# Allegro board belt-box-dvt3-0706pm14.brd (continued)
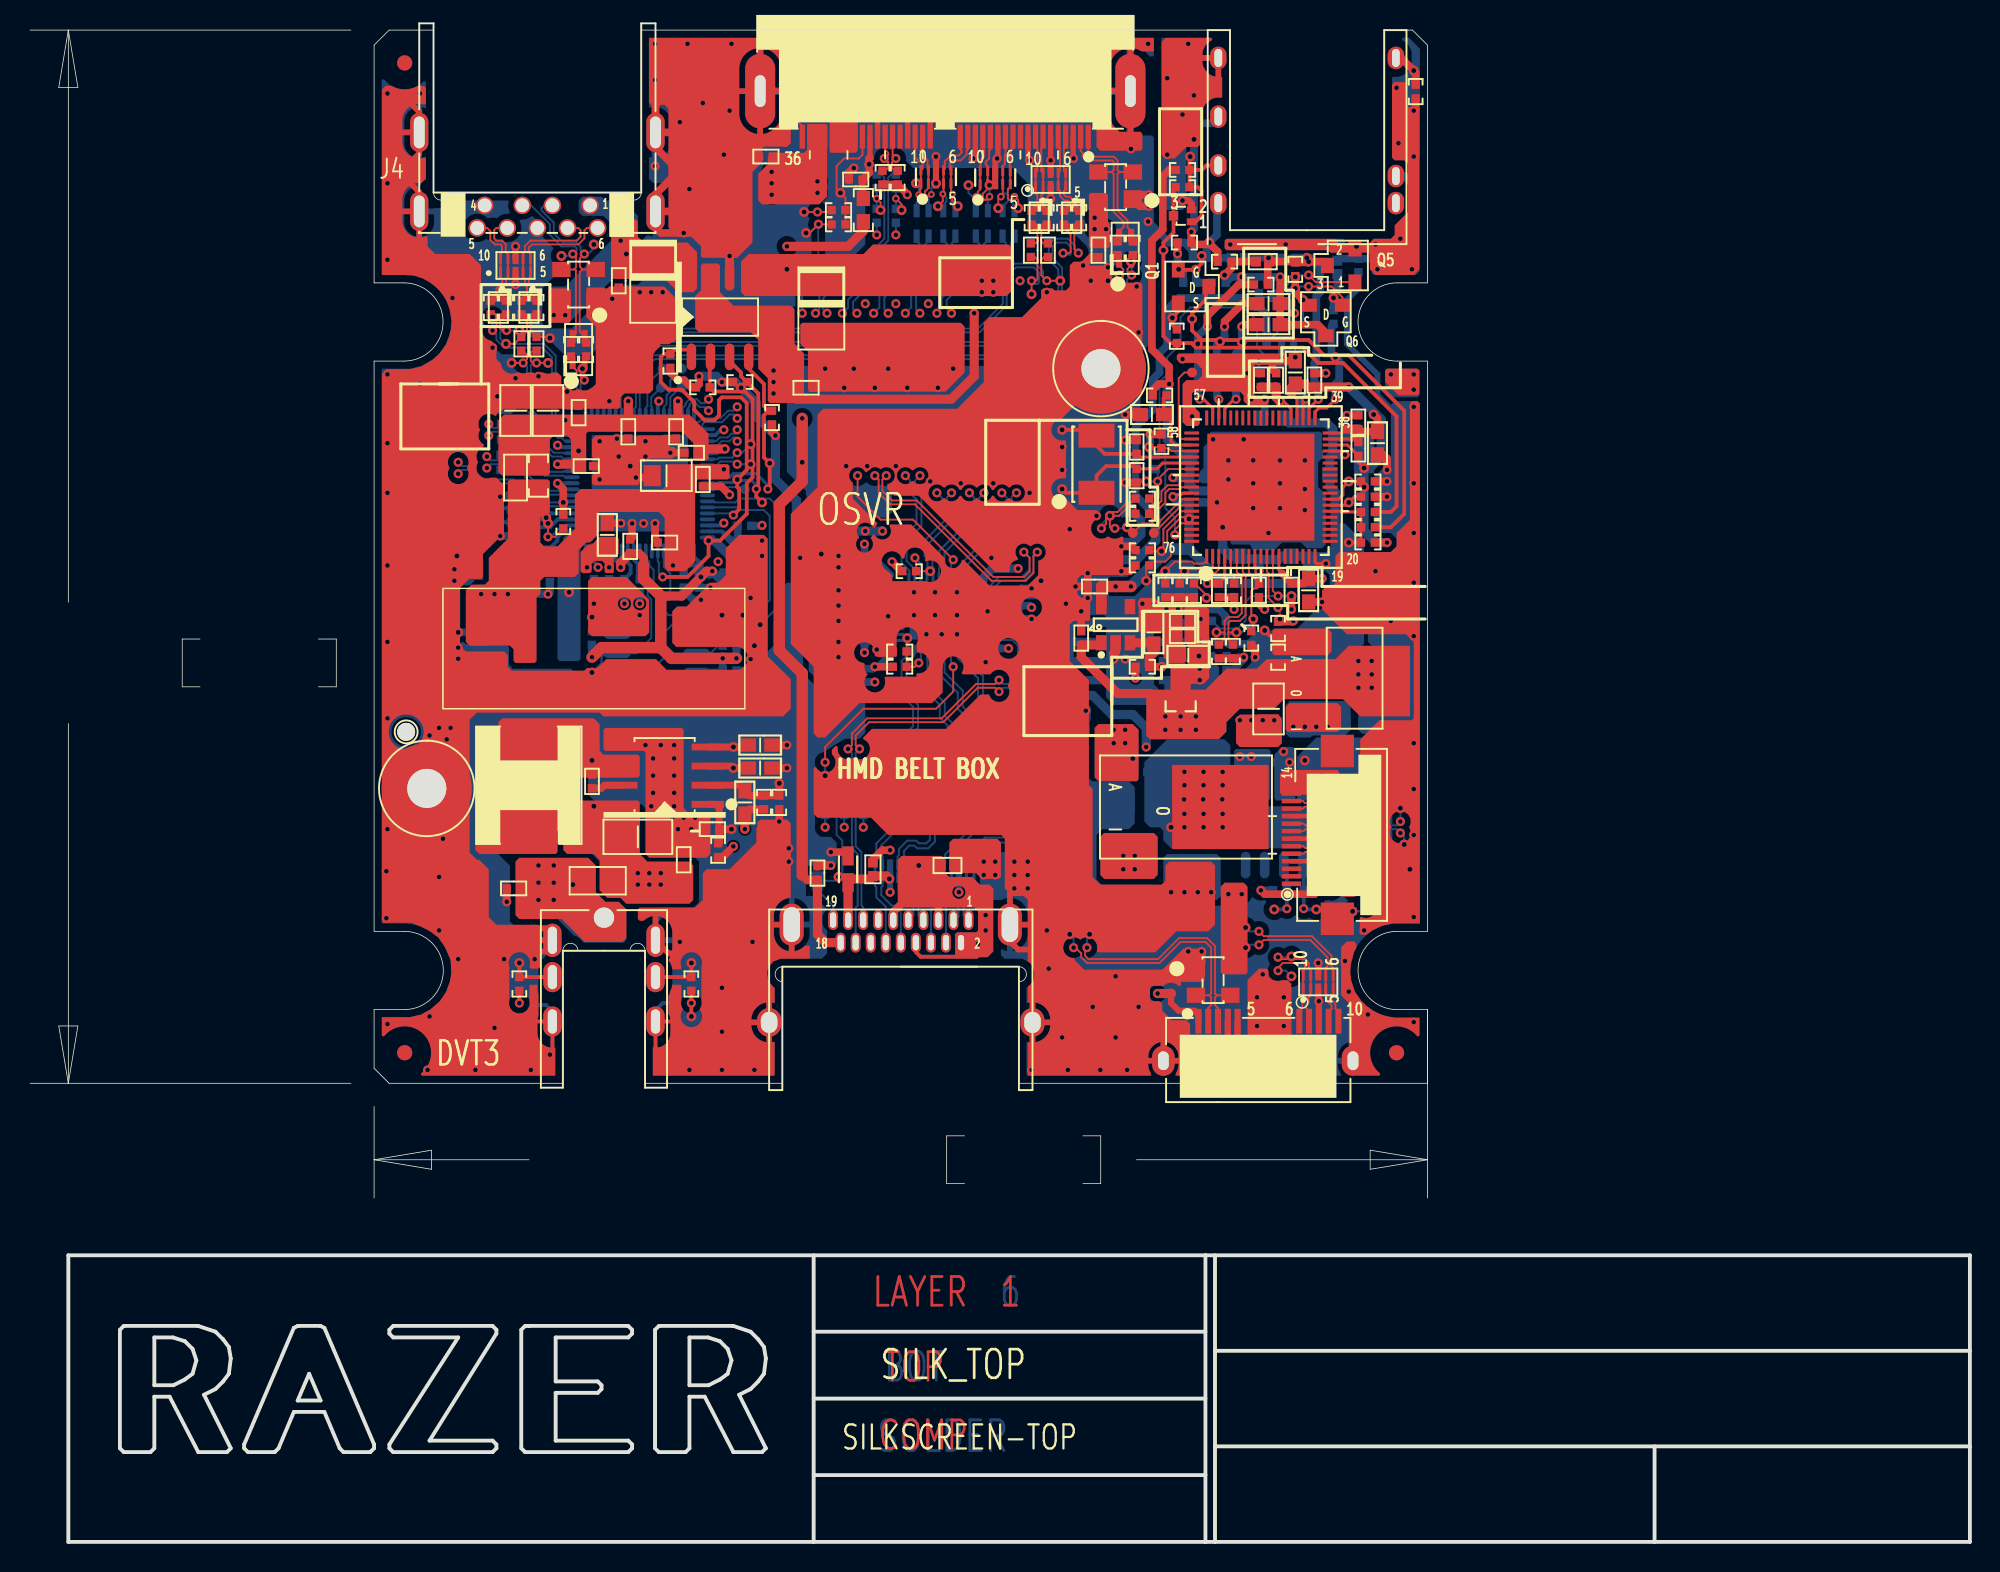
[diagram p0: board, top side]
## Routing (per net, layer and track width the routed paths; a pad name or vN(x,y) marks a point on that pad's centre or on a via; arc(x,y) is an arc through that point) (continued)
V33: length 38.2
  TOP w0.559: 40.77,64.9 40.77,65.41 40.46,65.71 C29.1
  TOP w0.61: 41.91,62.86 43.31,62.86 v2(44.58,64.14) 44.96,64.52 v1(45.34,64.52) ; C29.1 39.24,65.07 v1(39.24,64.77)
  TOP w0.762: v1(46.94,58.72) v1(46.02,58.72) 42.62,58.72 41.91,59.44 ; 41.91,59.44 41.91,62.86 40.77,64.01 40.77,64.9 ; 41.91,59.44 37.97,59.44 v1(37.34,58.8)
  BOTTOM w0.254: U7.71 38.91,65.23 39.24,64.9 v1(39.24,64.77) ; U7.58 44.11,65.49 44.45,65.15 44.45,64.9 43.87,64.9 43.71,65.05 U7.59 ; 45.59,66.42 45.38,66.76 U7.57
  BOTTOM w0.508: R29.2 v1(46.94,58.72) ; R30.1 v1(37.34,58.8) ; U6.8 45.9,57.78 C32.1 v1(46.02,58.72)
  BOTTOM w0.61: 45.59,66.42 46.48,65.53 C31.1 47.02,64.66 C28.2 45.85,64.01 v1(45.34,64.52) 45.16,64.34 C30.1 44.45,64.9
VBUS-IN: length 3.2
  BOTTOM w0.254: 46.2,66.93 45.97,67.16 U7.56
  BOTTOM w0.508: 46.2,66.93 46.58,66.55 R41.1 R36.2
VIN: length 13.8
  TOP w0.508: v1(46.74,46.23) 46.02,45.52 R89.1
  IN1 w0.61: v1(34.8,44.96) 35.18,45.34 45.47,45.34 46.36,46.23 v1(46.74,46.23)
  vias: v1(33.78,44.96) v1(33.78,43.81) v1(33.78,42.67) v1(34.8,43.81) v1(34.8,42.67) v1(49.28,91.06) v1(49.28,90.3) v1(49.28,89.53) v1(52.32,90.42) v1(52.32,89.66) v2(36.07,43.69)
+1.8_VDD: length 32.4
  TOP w0.203: C60.1 79.39,64.1 U11.4 ; U11.13 82.99,64.59 83.19,64.39 ; v1(75.95,69.47) 76.07,69.6 76.47,69.6 76.58,69.7 U11.68
  TOP w0.508: v1(78.23,63.7) C60.1 ; v1(85.85,64.02) C57.1 84.65,63.7 C58.1 83.82,63.75 83.19,64.39
  TOP w0.711: U12.5 71.19,63.49 C70.2
  TOP w0.762: v1(73.15,63.5) v1(72.14,63.5) C70.2
  BOTTOM w0.61: v1(75.95,69.47) 76.33,69.09 C59.1 v2(77.01,68) 77.01,65.99 78.23,64.77 v1(78.23,63.7) 85.53,63.7 v1(85.85,64.02)
  BOTTOM w0.762: 77.01,65.99 75.64,65.99 v1(73.15,63.5) v1(72.14,63.5)
APP: length 9.8
  TOP w0.127: Q6.G 87.21,82.72 86.49,83.44 v1(84.96,83.44)
  BOTTOM w0.127: v1(84.96,83.44) 84.1,83.44 Q4.1 83.78,83.09 83.95,82.93 84.32,82.93 84.58,82.67 v2(84.58,82.55) 84.58,81.28 84.17,80.86 Q3.3 83.35,80.86 R104.1
APP#: length 7.4
  TOP w0.127: v1(84.96,84.2) 85.43,83.73 Q5.1
  BOTTOM w0.127: R105.1 81.94,82.73 Q4.3 82.59,82.98 83.17,83.57 83.57,83.57 v2(84.07,84.07) 84.2,84.2 v1(84.96,84.2)
CFG: length 3.3
  TOP w0.127: v1(58.8,65.41) 58.88,65.33 R13.2 v2(59.82,64.52)
  BOTTOM w0.127: U1.23 59.2,65.01 v1(58.8,65.41)
DCIN_EN: length 5.3
  BOTTOM w0.127: R14.2 53.46,60.37 55.3,60.37 55.63,60.7 57.38,60.7 57.4,60.72 U1.13
DDC_GND: length 5.5
  TOP w0.61: J1.17 54.36,41.33 ESD2.1 54.6,44.05 55.8,44.05 FB5.1 56.91,44.26 v2(57.1,44.07)
DDCBUF: length 5.7
  BOTTOM w0.127: R18.2 53.42,60.71 55.24,60.71 55.45,60.91 R25.1 55.92,61.21 56.17,60.96 57.28,60.96 57.44,61.12 U1.14
EQ: length 5.7
  BOTTOM w0.127: U1.17 56.37,62.32 R21.1 54.94,62.74 53.42,62.74 R12.2
FB: length 4.5
  BOTTOM w0.254: C35.2 34.42,65.91 35.04,66.54 35.04,66.76 35.43,67.16 U7.2
  BOTTOM w0.508: C35.2 34.42,65.28 34.54,65.15 R34.1 34.47,64.64 R31.2
GPIO2: length 28.9
  TOP w0.127: U11.73 76.5,67.7 76.07,67.27 v1(76.07,66.93)
  BOTTOM w0.127: v1(76.07,66.93) 76.07,68.07 75.44,68.71 75.44,72.52 75.06,72.9 75.06,77.09 75.56,77.6 75.56,78.74 76.45,79.63 76.45,81.41 77.09,82.04 80.64,82.04 81.53,81.15 81.53,79.38 82.68,78.23 83.69,78.23 84.07,78.61 v2(84.07,78.74) 84.07,79.56 Q3.1
HDMI_5V: length 56.1
  TOP w0.559: C4.1 51.64,43.99 51.31,44.32
  TOP w0.61: R3.1 55.37,87.12 54.36,86.11 v1(50.29,86.11) ; C4.1 52.32,40.39 52.88,39.83 J1.18
  TOP w0.762: 51.31,44.32 51.31,57.73 49.78,59.26 49.78,68.96 51.31,70.48 v2(51.31,71.75) v1(51.31,74.68)
  IN1 w0.61: v1(51.31,74.68) 51.31,80.01 50.29,81.03 v1(50.29,86.11)
HDMI_CON_CLK+: length 9.8
  BOTTOM w0.127: J1.10 57.86,42.06 57.63,42.29 57.25,42.29 56.57,42.98 56.57,43.52 56.65,43.6 U17.4 U17.7 56.65,45.55 56.57,45.64 56.57,46.29 57.38,47.11 57.38,47.85 57.55,48.03 L15.1
HDMI_CON_CLK+_P: length 10.8
  BOTTOM w0.127: L15.4 57.55,50.35 57.35,50.55 57.35,53.03 57.97,53.64 58.56,53.64 59,54.09 59,55.64 58.24,56.4 58.24,58.41 58.73,58.9 58.73,58.98 58.8,59.05 U1.9
HDMI_CON_CLK-: length 9.8
  BOTTOM w0.127: L15.2 56.75,48.11 56.46,47.83 56.46,47.62 56.57,47.52 56.95,47.52 57.05,47.42 57.05,47.24 56.24,46.43 56.24,45.64 56.15,45.55 U17.6 U17.5 56.15,43.6 56.24,43.52 56.24,42.84 56.86,42.22 J1.12
HDMI_CON_CLK-_P: length 10.9
  BOTTOM w0.127: U1.10 58.4,59.03 57.91,58.55 57.91,56.26 58.67,55.5 58.67,54.23 58.42,53.98 57.84,53.98 57.02,53.16 57.02,50.67 56.75,50.4 L15.3
HDMI_CON_DATA0+: length 9.9
  BOTTOM w0.127: L14.1 60.34,47.97 60.12,47.75 60.12,46.53 59.69,46.1 58.93,46.1 58.75,46.28 58.43,46.28 58.07,45.91 58.07,45.64 58.15,45.55 U17.10 U17.1 58.04,44.03 58.04,43.34 58.25,43.13 58.58,43.13 59.03,42.68 59.03,41.66 J1.7
HDMI_CON_DATA0+_P: length 10.9
  BOTTOM w0.127: L14.4 60.34,50.35 60.1,50.6 60.1,52.78 60.27,52.96 60.79,52.96 61.29,53.46 61.29,54.41 60.78,54.91 60.78,55.76 59.72,56.83 59.72,57.42 59.96,57.67 59.96,58.74 60,58.78 U1.6
HDMI_CON_DATA0-: length 9.8
  BOTTOM w0.127: L14.2 59.54,47.92 59.79,47.68 59.79,46.67 59.55,46.43 59.06,46.43 58.89,46.61 58.29,46.61 57.73,46.05 57.73,45.64 57.65,45.55 U17.9 U17.2 57.71,44.08 57.71,43.2 58.11,42.8 58.44,42.8 58.7,42.55 58.7,41.66 J1.9
HDMI_CON_DATA0-_P: length 10.9
  BOTTOM w0.127: L14.3 59.54,50.4 59.77,50.62 59.77,52.92 60.14,53.29 60.66,53.29 60.96,53.59 60.96,54.27 60.45,54.78 60.45,55.63 59.39,56.69 59.39,57.56 59.63,57.8 59.63,58.74 59.6,58.78 U1.7
HDMI_CON_DATA1+: length 9.8
  BOTTOM w0.127: J1.4 60.86,42.11 60.58,42.39 60.58,42.7 61.14,43.26 61.14,43.69 61.22,43.77 U16.4 U16.7 61.14,45.1 61.14,45.56 62.84,47.26 62.84,47.8 63.14,48.1 L13.1
HDMI_CON_DATA1+_P: length 10.9
  BOTTOM w0.127: U1.4 60.8,59.05 60.76,59.02 60.76,57.79 61.98,56.58 61.98,55.51 63.17,54.32 63.17,53.18 62.36,52.36 62.36,52.07 62.9,51.53 62.9,50.94 63.14,50.7 L13.4
HDMI_CON_DATA1-: length 9.8
  BOTTOM w0.127: L13.2 62.34,48.1 62.51,47.93 62.51,47.4 60.81,45.69 60.81,45.1 U16.6 U16.5 60.72,43.77 60.81,43.69 60.81,43.39 60.25,42.83 60.25,42.42 59.86,42.03 J1.6
HDMI_CON_DATA1-_P: length 10.9
  BOTTOM w0.127: U1.5 60.4,59.05 60.43,59.02 60.43,57.65 61.65,56.44 61.65,55.37 62.84,54.18 62.84,53.31 62.03,52.5 62.03,51.93 62.57,51.39 62.57,51.01 62.34,50.78 L13.3
HDMI_CON_DATA2+: length 9.8
  BOTTOM w0.127: L12.1 65.93,48.1 65.75,47.92 65.75,47.13 65.1,46.48 63.59,46.48 62.61,45.51 62.61,45.13 U16.10 U16.1 62.72,43.72 62.56,43.56 62.56,42.66 62.03,42.13 62.03,41.66 J1.1
HDMI_CON_DATA2+_P: length 10.9
  BOTTOM w0.127: L12.4 65.93,50.68 65.71,50.9 65.71,53.8 64.39,55.12 63.32,56.18 63.32,57.54 61.96,58.9 61.96,59.02 62,59.05 U1.1
HDMI_CON_DATA2-: length 9.8
  BOTTOM w0.127: J1.3 61.44,41.33 61.7,41.58 61.7,42.26 62.23,42.8 62.23,43.56 62.22,43.57 U16.2 U16.9 62.28,45.07 62.28,45.64 63.45,46.81 64.96,46.81 65.42,47.27 65.42,47.79 65.13,48.08 L12.2
HDMI_CON_DATA2-_P: length 10.9
  BOTTOM w0.127: U1.2 61.6,59.05 61.63,59.02 61.63,58.76 62.99,57.4 62.99,56.05 64.16,54.88 65.38,53.66 65.38,50.9 65.13,50.65 L12.3
HDMI_CON_DET: length 10.4
  BOTTOM w0.127: R317.1 53.34,49.23 53.59,48.97 53.59,46.99 53.97,46.61 53.97,44.45 v2(53.72,44.2) 53.47,43.94 ESD1.1 52.32,43.33 53.36,42.29 J1.19
HDMI_CON_DET_B: length 48.9
  TOP w0.127: R371.1 53.14,88.39 v1(52.32,88.39) v2(51.44,88.39)
  IN1 w0.254: v1(52.32,88.39) 49.4,88.39 48.26,87.25 48.26,80.01 48.64,79.63 48.64,73.53 49.66,72.52 49.66,60.33 52.2,57.78 52.2,48.13 v1(52.83,47.5)
  BOTTOM w0.127: R317.2 v1(52.83,47.5)
HDMI_CON_DET_P: length 15.6
  TOP w0.127: v1(61.34,58.17) 61.34,56.52 60.2,55.37 55.37,55.37 52.83,52.83 v1(52.83,51.82)
  BOTTOM w0.127: v1(61.34,58.17) 61.2,58.31 U1.3 ; v1(52.83,51.82) v2(52.83,50.93) R302.2
HDMI_CON_SCL: length 8.5
  BOTTOM w0.127: R320.1 55.07,49.23 54.86,49.02 54.86,46.23 55.24,45.85 55.24,42.29 55.36,42.18 J1.15
HDMI_CON_SCL_B: length 52.3
  IN1 w0.127: v1(55.37,47.5) 55.12,47.5 54.86,47.75 54.86,50.8 53.72,51.94 53.72,55.12 52.96,55.88 52.96,58.8 50.55,61.21 50.55,79.35 49.4,80.5 49.4,86.38 49.76,86.74 53.74,86.74 54.5,85.98 56.64,85.98 57.02,86.36 57.02,86.74 57.15,86.87 v1(57.53,86.87)
  BOTTOM w0.127: R320.2 v1(55.37,47.5) ; R372.1 v1(57.53,86.87)
HDMI_CON_SCL_P: length 22.8
  TOP w0.127: v1(64.39,56.52) 64.13,56.77 62.97,56.77 60.68,54.48 55.75,54.48 54.86,53.59 54.86,52.96 v1(55.12,52.7)
  BOTTOM w0.127: U1.38 63.36,60.72 63.5,60.58 63.88,60.58 64.26,60.2 65.41,60.2 65.91,59.69 65.91,57.53 65.15,56.77 64.64,56.77 v1(64.39,56.52) ; R318.2 55.14,50.14 54.86,50.42 54.86,52.45 v1(55.12,52.7)
HDMI_CON_SDA: length 10
  BOTTOM w0.127: R321.1 54.41,49.23 54.61,49.02 54.61,46.1 54.99,45.72 54.99,42.29 54.86,42.16 J1.16
HDMI_CON_SDA_B: length 52.3
  IN1 w0.127: v1(54.1,47.5) 54.36,47.5 54.61,47.75 54.61,50.67 53.47,51.82 53.47,54.99 52.7,55.75 52.7,58.67 50.29,61.09 50.29,79.25 49.15,80.39 49.15,86.49 49.66,87 53.85,87 54.61,86.23 56.52,86.23 56.77,86.49 56.77,86.74 56.64,86.87 v1(56.26,86.87)
  BOTTOM w0.127: R321.2 v1(54.1,47.5) ; R373.1 v1(56.26,86.87)
HDMI_CON_SDA_P: length 22.3
  TOP w0.127: v1(54.36,52.7) 54.61,52.96 54.61,53.72 55.63,54.74 60.58,54.74 62.87,57.02 64.13,57.02 v1(64.39,57.28)
  BOTTOM w0.127: v1(64.39,57.28) 64.64,57.02 65.02,57.02 65.66,57.66 65.66,59.56 65.28,59.94 64.13,59.94 63.75,60.33 63.5,60.33 63.5,60.32 U1.39 ; R319.2 54.33,50.14 54.61,50.42 54.61,52.45 v1(54.36,52.7)
HMD_5V: length 4.3
  TOP w0.356: J2.27 55.81,92.01
  TOP w0.508: 55.81,92.01 55.75,91.95 v2(55.75,91.57) 55.75,90.98 C5.1 55.32,89.34 R3.2
HMD_CON_CLK+: length 28.8
  IN2 w0.114: v1(54.94,81.66) 54.62,81.34 54.62,79.49 59.08,75.03 59.08,72.73 58.8,72.45 58.8,71.2 v1(59.13,70.87)
  BOTTOM w0.127: v1(54.94,81.66) 54.69,81.92 54.69,82.41 57.74,85.47 59.05,85.47 59.44,85.85 59.44,86.19 59.71,86.47 L19.1 ; v1(59.13,70.87) 58.8,70.53 58.8,69.85 59.23,69.42 59.23,67.53 58.24,66.54 58.24,65.2 58.76,64.68 58.76,64.16 U1.22
HMD_CON_CLK+_A: length 6.8
  TOP w0.127: v4(59.89,89.56) 59.79,89.46 59.59,89.46 59.47,89.57 59.47,89.76 59.7,89.98 U23.2 U23.9 59.64,91.23 59.64,91.82 59.39,92.08 59.24,92.08 59.16,92.16 59.16,92.48 59.31,92.64 J2.20
  BOTTOM w0.127: L19.4 59.71,89.38 v4(59.89,89.56) 59.89,89.99 v2(60.2,90.3)
HMD_CON_CLK-: length 28.8
  IN2 w0.114: v1(58.17,70.87) 58.48,71.18 58.48,72.58 58.76,72.86 58.76,74.9 54.3,79.36 54.3,81.34 v1(53.97,81.66)
  BOTTOM w0.127: L19.2 58.91,86.47 59.11,86.27 59.11,85.99 58.92,85.8 57.61,85.8 54.36,82.55 54.36,82.04 v1(53.97,81.66) ; U1.21 58.43,64.16 58.43,64.54 57.91,65.06 57.91,66.67 58.9,67.67 58.9,69.28 58.47,69.71 58.47,70.56 v1(58.17,70.87)
HMD_CON_CLK-_A: length 6.8
  TOP w0.127: v4(59.05,89.53) 59.14,89.62 59.14,89.9 59.2,89.95 U23.1 U23.10 59.31,91.28 59.31,91.68 59.25,91.74 59.11,91.74 58.83,92.02 58.83,92.54 58.81,92.55 J2.21
  BOTTOM w0.127: L19.3 58.91,89.01 59,89.1 59.31,89.1 59.38,89.17 59.38,89.44 59.28,89.53 v4(59.05,89.53) 59.05,90.12 v2(58.88,90.3)
HMD_CON_DATA0+: length 28.8
  IN2 w0.114: v1(57.02,81.66) 56.7,81.34 56.7,79.57 61.25,75.02 61.25,71.85 60.83,71.43 60.83,70.12 v1(61.23,69.72)
  BOTTOM w0.127: v1(57.02,81.66) 56.77,81.92 56.77,82.72 58.51,84.45 59.69,84.45 61.25,86.02 61.25,86.31 61.49,86.54 L18.1 ; U1.25 60,64.67 59.96,64.7 59.96,65.47 59.77,65.67 59.77,66.41 61.34,67.99 61.34,68.67 60.93,69.07 60.93,69.43 v1(61.23,69.72)
HMD_CON_DATA0+_A: length 6.9
  TOP w0.127: J2.17 62.32,92.54 62.23,92.46 62.23,92.2 61.85,91.82 61.32,91.82 61.11,91.62 61.11,91.25 U23.6 U23.5 61.2,89.68 v4(61.29,89.59) 61.29,89.13 v2(61.65,88.77)
  BOTTOM w0.127: L18.4 61.49,88.75 61.21,89.03 61.21,89.51 v4(61.29,89.59)
HMD_CON_DATA0-: length 28.8
  IN2 w0.114: v1(60.26,69.72) 60.52,69.98 60.52,71.56 60.93,71.98 60.93,74.89 56.38,79.44 56.38,81.34 v1(56.05,81.66)
  BOTTOM w0.127: U1.24 59.6,64.67 59.63,64.7 59.63,65.33 59.44,65.53 59.44,66.55 61.01,68.12 61.01,68.53 60.6,68.94 60.6,69.38 v1(60.26,69.72) ; L18.2 60.69,86.51 60.92,86.27 60.92,86.15 59.55,84.79 58.37,84.79 56.44,82.85 56.44,82.05 v1(56.05,81.66)
HMD_CON_DATA0-_A: length 6.9
  TOP w0.127: J2.18 61.81,92.54 61.9,92.46 61.9,92.34 61.71,92.15 61.18,92.15 60.78,91.75 60.78,91.25 U23.7 U23.4 60.7,89.63 v4(60.66,89.59) 60.66,89.1 v2(60.33,88.77)
  BOTTOM w0.127: L18.3 60.69,88.88 60.88,89.08 60.88,89.36 v4(60.66,89.59)
HMD_CON_DATA1+: length 28.8
  IN2 w0.114: v1(63.39,69.72) 63.02,70.09 63.02,75.41 58.81,79.62 58.81,81.34 v1(59.13,81.66)
  BOTTOM w0.127: v1(59.13,81.66) 58.88,81.92 58.88,82.88 59.44,83.44 60.28,83.44 62.32,85.47 63.08,85.47 63.4,85.79 63.4,86.27 63.65,86.52 L17.1 ; U1.27 60.8,64.67 60.76,64.7 60.76,65.76 63.07,68.06 63.07,69.4 v1(63.39,69.72)
HMD_CON_DATA1+_A: length 6.7
  TOP w0.127: J2.14 63.81,92.54 63.73,92.46 63.73,91.95 63.5,91.72 63.5,91.57 63.64,91.43 U21.9 U21.2 63.64,89.92 63.31,89.6 63.31,89.32 63.42,89.2 63.55,89.2 v3(63.75,89.41)
  BOTTOM w0.127: v2(63.75,90.17) v3(63.75,89.41) 63.64,89.29 63.64,89.03 63.63,89.02 63.63,88.5 L17.4
HMD_CON_DATA1-: length 28.8
  IN2 w0.114: v1(62.42,69.72) 62.7,70 62.7,75.28 58.49,79.49 58.49,81.34 v1(58.16,81.66)
  BOTTOM w0.127: v1(58.16,81.66) 58.55,82.05 58.55,83.02 59.3,83.77 60.15,83.77 62.18,85.8 62.94,85.8 63.07,85.93 63.07,86.28 62.85,86.51 L17.2 ; U1.26 60.4,64.67 60.43,64.7 60.43,65.89 62.74,68.2 62.74,69.4 v1(62.42,69.72)
HMD_CON_DATA1-_A: length 7.1
  TOP w0.127: J2.15 63.32,92.58 63.4,92.5 63.4,92.08 63.17,91.85 63.17,91.57 63.14,91.53 U21.10 U21.1 63.14,89.89 62.98,89.74 62.98,89.52 v3(62.87,89.41)
  BOTTOM w0.127: v2(62.36,90.17) 62.36,89.66 62.61,89.41 v3(62.87,89.41) 63.02,89.56 63.2,89.56 63.31,89.45 63.31,89.17 62.85,88.7 L17.3
HMD_CON_DATA2+: length 28.8
  IN2 w0.114: v1(65.55,69.72) 65.28,69.99 65.28,75.31 60.9,79.69 60.9,81.38 61.19,81.66 v1(61.23,81.66)
  BOTTOM w0.127: v1(61.23,81.66) 60.91,81.98 60.91,82.54 62.87,84.51 63.8,84.51 65.18,85.88 65.18,86.31 65.42,86.56 L16.1 ; U1.30 61.96,64.16 61.96,64.63 65.23,67.89 65.23,69.47 65.48,69.72 v1(65.55,69.72)
HMD_CON_DATA2+_A: length 6.8
  TOP w0.127: v2(65.66,88.65) 65.66,89.17 v3(65.42,89.41) 65.42,89.29 65.3,89.18 65.1,89.18 64.97,89.31 64.97,89.92 65.13,90.08 U21.5 U21.6 65.13,91.44 65.1,91.47 65.1,92.02 65.15,92.08 65.15,92.46 65.32,92.62 J2.11
  BOTTOM w0.127: v3(65.42,89.41) 65.3,89.29 65.3,88.8 65.42,88.68 L16.4
HMD_CON_DATA2-: length 28.8
  IN2 w0.114: v1(64.58,69.72) 64.96,70.11 64.96,75.18 60.59,79.55 60.59,81.38 60.3,81.66 v1(60.26,81.66)
  BOTTOM w0.127: v1(64.58,69.72) 64.9,69.4 64.9,68.03 61.63,64.77 61.63,64.16 U1.29 ; v1(60.26,81.66) 60.58,81.98 60.58,82.68 62.74,84.84 63.67,84.84 64.85,86.01 64.85,86.33 64.62,86.56 L16.2
HMD_CON_DATA2-_A: length 6.8
  TOP w0.127: J2.12 64.81,92.58 64.82,92.58 64.82,92.21 64.77,92.16 64.77,91.57 64.63,91.43 U21.7 U21.4 64.65,90.22 64.64,90.22 64.64,89.53 v3(64.52,89.41) 64.34,89.23 v2(64.34,88.65)
  BOTTOM w0.127: v3(64.52,89.41) 64.52,89.51 64.62,89.61 64.87,89.61 64.97,89.51 64.97,89.1 64.62,88.75 L16.3
HMD_CON_DET: length 31.3
  TOP w0.127: R337.1 52.4,87.57 v1(52.39,87.58) 51.8,87 v2(51.56,87) ; v1(61.34,65.28) 58.67,67.95 56.52,67.95 54.99,69.47 v1(54.99,70.87)
  IN2 w0.127: v1(54.99,70.87) 54.99,75.06 51.31,78.74 v1(51.31,81.66)
  BOTTOM w0.127: U1.28 61.2,65.13 v1(61.34,65.28) ; v1(52.39,87.58) 52.37,87.57 52.37,83.87 51.31,82.8 v1(51.31,81.66)
HMD_CON_DET_A: length 7.4
  TOP w0.127: J2.28 55.31,92.2 55.06,91.95 54.1,91.95 53.59,91.44 53.59,89.92 v2(53.85,89.66) 54.18,89.33 R371.2 R337.2
HMD_CON_SCL: length 45.1
  TOP w0.127: v1(66.04,65.79) 66.42,65.41 66.42,64.49 66.06,64.14 64.01,64.14 58.93,69.22 57.28,69.22 56.64,69.85 56.64,70.61 v1(56.9,70.87)
  IN2 w0.127: v1(52.96,81.66) 52.7,81.41 52.7,79.25 56.64,75.31 56.64,71.12 v1(56.9,70.87)
  BOTTOM w0.127: R344.1 57.23,90.88 57.02,90.68 57.02,86.49 53.59,83.06 53.09,83.06 52.7,82.68 52.7,81.92 v1(52.96,81.66) ; v1(66.04,65.79) 66.42,65.41 66.42,64.64 65.91,64.14 64.39,64.14 63.38,63.12 U1.32
HMD_CON_SCL_A: length 8.4
  TOP w0.127: R1.2 57.45,91.14 57.28,91.31 57.28,91.69 v1(57.53,91.95) 57.31,92.16 J2.24 ; v2(57.91,88.52) 57.91,88.9 v3(57.53,89.28)
  IN1 w0.127: v3(57.53,89.28) 57.15,89.28 57.02,89.41 57.02,90.68 57.28,90.93 57.28,91.82 57.4,91.95 v1(57.53,91.95)
  BOTTOM w0.127: R344.2 v3(57.53,89.28) R372.2
HMD_CON_SDA: length 46.3
  TOP w0.127: v1(66.93,65.79) 66.67,65.53 66.67,64.39 66.17,63.88 63.88,63.88 58.8,68.96 57.15,68.96 56.39,69.72 56.39,70.61 v1(56.13,70.87)
  IN2 w0.127: v1(52.2,81.66) 52.45,81.41 52.45,79.12 56.39,75.18 56.39,71.12 v1(56.13,70.87)
  BOTTOM w0.127: v1(52.2,81.66) 52.45,81.92 52.45,82.8 52.96,83.31 53.47,83.31 56.77,86.61 56.77,90.68 56.57,90.88 R345.1 ; v1(66.93,65.79) 66.67,65.53 66.67,64.52 66.04,63.88 64.52,63.88 63.5,62.86 63.12,62.86 62.98,62.72 U1.33
HMD_CON_SDA_A: length 8.5
  TOP w0.127: J2.25 56.81,92.54 57.02,92.33 57.02,92.2 v1(56.77,91.95) 57.02,91.69 57.02,91.31 56.85,91.14 R2.2 ; v2(56.52,88.52) 56.52,89.03 v3(56.26,89.28)
  IN1 w0.127: v3(56.26,89.28) 56.64,89.28 56.77,89.41 56.77,90.81 57.02,91.06 57.02,91.82 56.9,91.95 v1(56.77,91.95)
  BOTTOM w0.127: R373.2 v3(56.26,89.28) R345.2
HP_JD: length 7.5
  TOP w0.254: R102.1 R103.2 77.6,90.04 77.85,89.79 77.85,88.14 77.45,87.74 Q2.1 ; R102.1 77.87,91.19 78.16,91.48 J6.7 ; R102.1 77.04,92.02 v2(77.09,92.08)
HP_JD#: length 35.5
  TOP w0.254: R71.2 90.42,68.45 90.8,68.83 90.8,74.8 87.25,78.36 85.6,78.36 84.58,79.38 77.47,79.38 77.17,79.68 R84.1 75.77,79.68 75.31,80.14 v2(75.31,85.85) 75.31,86.36 75.98,87.03 Q2.3 75.98,89.9 R103.1
HP_OUT_L: length 7.5
  TOP w0.203: U11.39 85.39,75.1 85.65,75.36 86.16,75.36 v1(86.74,75.95)
  BOTTOM w0.508: v1(86.74,75.95) 86.74,76.96 87,77.22 87,78.49 v2(86.74,78.74) 86.49,78.99 86.49,80.82 R85.1
HP_OUT_R: length 12.5
  TOP w0.203: U11.40 84.99,75.34 v1(85.6,75.95)
  BOTTOM w0.508: R86.1 v2(84.84,85.34) 85.09,85.34 85.72,84.71 85.72,83.06 85.47,82.8 85.47,78.49 85.34,78.36 85.34,77.09 85.6,76.83 v1(85.6,75.95)
HPOUT-L_COMBO: length 11.8
  BOTTOM w0.508: v2(88.14,86.11) 88.27,85.98 C81.1 ; C81.1 88.98,85.29 89.15,85.47 91.19,85.47 91.95,86.23 91.95,90.17 91.34,90.78 J6.1 ; C81.1 87.01,85.29 FB2.2
HPOUT-L_R: length 2.5
  BOTTOM w0.508: R85.2 v2(86.61,82.68) 86.61,82.93 86.87,83.19 FB2.1
HPOUT-R_COMBO: length 5.5
  BOTTOM w0.508: J6.2 78.87,88.89 78.87,86.87 v2(78.36,86.36) 78.18,86.18 C80.1 78.31,85.34 FB3.2
HPOUT-R_R: length 2.4
  BOTTOM w0.508: R86.2 v2(82.3,85.34) FB3.1
HUB_D+1: length 5.5
  TOP w0.127: R51.2 35.94,78.51 L7.1 36.05,78.12 36.32,77.85 36.32,77.47 v1(36.07,77.22)
  BOTTOM w0.127: v2(35.69,76.45) 35.69,76.83 v1(36.07,77.22) 36.32,76.96 36.32,76.33 36.99,75.66 36.99,75.44 36.91,75.36 U7.20
HUB_D+2: length 41.3
  TOP w0.127: v1(72.39,84.2) 72.64,84.45 72.64,84.58 72.37,84.86 L3.1 72.26,85.24 R26.2
  BOTTOM w0.127: v2(71.63,83.82) 72.01,84.2 v1(72.39,84.2) 72.64,83.95 72.64,82.93 72.01,82.3 69.22,82.3 65.79,78.87 41.4,78.87 40.26,77.72 40.26,75.44 40.11,75.29 U7.28
HUB_D+3: length 38.8
  TOP w0.127: R52.1 73.2,69.09 72.9,69.09 72.26,68.45 71.9,68.45 71.5,68.05 71.5,67.67 v1(71.19,67.36)
  IN2 w0.127: v1(71.19,67.36) 71.5,67.05 71.5,66.78 71.27,66.55 69.07,66.55 66.78,68.83 59.69,68.83 58.55,69.98 54.48,69.98 48.13,76.33 46.25,76.33 45.61,75.69 45.34,75.69 v1(45.09,75.95)
  BOTTOM w0.127: v1(45.09,75.95) 44.82,75.68 44.59,75.68 44.32,75.95 43.81,75.95 43.56,75.69 43.56,75.56 43.31,75.32 U7.36 ; v2(71.75,68.2) 71.19,67.64 v1(71.19,67.36)
HUB_D+4: length 84.6
  IN2 w0.127: v1(88.52,48.39) 88.52,48.51 88.39,48.64 87.86,48.64 87.5,48.28 87.5,45.47 87.76,45.21 90.78,45.21 91.19,44.81 91.19,42.55 90.8,42.16 90.19,42.16 89.79,42.57 89.79,43.58 89.56,43.81 72.03,43.81 70.48,45.36 70.48,53.36 66.8,57.04 66.8,59.82 65.28,61.34 65.28,62.76 61.74,66.29 58.82,66.29 57.17,67.95 52.22,67.95 49.68,70.48 45.21,70.48 44.83,70.87 44.83,71.73 45.23,72.14 46.74,72.14 v1(46.99,72.39)
  BOTTOM w0.127: U7.44 45.67,71.96 45.77,72.06 46.66,72.06 v1(46.99,72.39) 47.31,72.39 v2(47.88,72.96) ; v1(88.52,48.39) 88.52,48.77 88.39,48.89 87.88,48.89 87.71,48.72 R91.2
HUB_D-1: length 5.4
  TOP w0.127: v1(36.83,77.22) 36.58,77.47 36.58,77.85 36.85,78.12 L7.3 36.96,78.51 R49.2
  BOTTOM w0.127: v2(36.7,77.98) 36.83,77.85 v1(36.83,77.22) 36.58,76.96 36.58,76.43 37.24,75.77 37.24,75.44 37.31,75.37 U7.21
HUB_D-2: length 41.3
  TOP w0.127: v1(73.2,84.2) 73.15,84.2 72.92,84.43 72.92,84.61 73.17,84.86 L3.3 73.28,85.24 R20.2
  BOTTOM w0.127: U7.29 40.51,77.62 41.51,78.61 65.89,78.61 69.32,82.04 72.11,82.04 72.9,82.83 72.9,83.9 v1(73.2,84.2) 73.2,85.04 v2(73.15,85.09)
HUB_D-3: length 38.6
  TOP w0.127: v1(72.09,67.36) 71.83,67.36 71.75,67.44 71.75,67.95 72.01,68.2 72.37,68.2 73,68.83 73.33,68.83 73.46,68.71 R53.1
  IN2 w0.127: v1(45.09,75.18) 45.34,75.44 45.72,75.44 46.36,76.07 48.03,76.07 54.38,69.72 58.44,69.72 59.58,68.58 66.67,68.58 68.96,66.29 71.37,66.29 71.75,66.67 71.75,67.03 v1(72.09,67.36)
  BOTTOM w0.127: v1(45.09,75.18) 44.84,75.43 44.48,75.43 44.22,75.69 43.92,75.69 43.81,75.59 43.81,75.46 43.71,75.36 U7.37 ; v1(72.09,67.36) 72.82,67.36 v2(72.9,67.44)
HUB_D-4: length 84.4
  IN2 w0.127: v1(46.99,71.63) 46.74,71.88 45.34,71.88 45.09,71.63 45.09,70.97 45.32,70.74 49.78,70.74 52.32,68.2 57.28,68.2 58.93,66.55 61.85,66.55 65.53,62.86 65.53,61.45 67.06,59.92 67.06,57.15 70.74,53.47 70.74,45.47 72.14,44.07 89.66,44.07 90.04,43.69 90.04,42.67 90.3,42.42 90.7,42.42 90.93,42.65 90.93,44.7 90.68,44.96 87.65,44.96 87.25,45.36 87.25,48.39 87.76,48.89 88.87,48.89 89.03,49.05 89.03,49.28 88.9,49.4 v1(88.52,49.4)
  BOTTOM w0.127: v1(88.52,49.4) 88.27,49.15 87.88,49.15 87.71,49.33 R90.2 ; U7.45 45.63,71.56 45.88,71.81 46.81,71.81 v1(46.99,71.63) v2(47.88,71.63)
HUB_RX1_CON_N: length 6.6
  TOP w0.127: R46.2 30.67,82.5 L5.4 30.99,82.82 30.99,83.3 31.38,83.69 31.38,83.95 31.26,84.07 U10.1 U10.10 31.26,85.63 31.35,85.72 31.35,86.14 31.26,86.23 30.88,86.23 30.58,86.53 30.58,87.12 30.37,87.33 J4.5
HUB_RX1_CON_P: length 6.6
  TOP w0.127: R47.2 31.24,82.88 31.24,83.19 31.63,83.59 31.63,83.95 31.76,84.07 U10.2 U10.9 31.76,85.58 31.61,85.72 31.61,86.25 31.37,86.49 30.99,86.49 30.84,86.64 30.84,87.19 30.98,87.33 J4.6
HUB_RX2_CON_N: length 5.7
  TOP w0.127: J2.4 68.81,92.71 68.69,92.58 68.69,91.11 U4.6 U4.5 68.82,89.9 68.71,89.79 68.71,89.53 68.83,89.41 69.09,89.41 69.34,89.15 69.34,88.78 L1.1 69.66,88.47 R7.2
HUB_RX2_CON_P: length 5.7
  TOP w0.127: J2.5 68.32,92.71 68.44,92.58 68.44,91.11 U4.7 U4.4 68.32,89.92 68.45,89.79 68.45,89.56 68.45,89.43 68.73,89.15 68.98,89.15 69.09,89.05 69.09,88.78 L1.4 68.77,88.47 R10.2
HUB_RX4_CON_N: length 6.1
  TOP w0.127: J23.9 84.63,47.74 84.75,47.62 85.72,47.62 v1(85.98,47.88)
  BOTTOM w0.127: v1(85.98,47.88) 86.23,47.63 86.38,47.63 86.49,47.74 U22.10 U22.1 88.03,47.74 88.14,47.62 89.15,47.62 89.33,47.8 R94.2
HUB_RX4_CON_P: length 6.1
  TOP w0.127: v1(85.98,47.12) 85.73,47.36 84.75,47.36 84.62,47.24 J23.8
  BOTTOM w0.127: R95.2 89.33,47.12 89.08,47.37 88.2,47.37 88.07,47.24 U22.2 U22.9 86.63,47.24 86.49,47.38 86.24,47.38 v1(85.98,47.12)
HUB_RXN1: length 13.7
  TOP w0.127: R46.1 30.67,81.58 L5.3 30.84,81.28 30.99,81.13 30.99,80.77 v1(30.73,80.52)
  BOTTOM w0.127: U7.17 35.55,73.16 35.33,73.38 35.07,73.38 34.67,73.79 34.67,78.74 34.04,79.38 31.5,79.38 30.99,79.88 30.99,80.26 v1(30.73,80.52) v2(30.73,81.41)
HUB_RXN2: length 43.1
  TOP w0.127: R7.1 69.66,87.55 L1.2 69.49,86.98 69.39,86.88 69.39,85.93 v1(69.66,85.66)
  BOTTOM w0.127: U7.25 38.91,75.36 38.99,75.44 38.99,77.96 40.79,79.76 65.28,79.76 68.33,82.8 68.33,84.58 67.69,85.22 67.69,86.21 68.09,86.61 68.96,86.61 69.42,86.16 69.42,85.77 69.53,85.66 v1(69.66,85.66)
HUB_RXN3: length 3.6
  BOTTOM w0.127: TP9.1 42.55,77.22 42.55,76.45 42.29,76.2 42.29,75.62 42.11,75.44 U7.33
HUB_RXN4: length 81.6
  IN2 w0.127: v1(46.99,73.91) 47.24,73.66 47.75,73.66 49.66,71.75 50.29,71.75 52.96,69.09 57.91,69.09 59.18,67.82 66.29,67.82 67.94,66.17 67.94,61.32 68.56,60.71 73.91,60.71 74.3,60.33 74.3,59.66 73.94,59.31 68.43,59.31 68.2,59.08 68.2,58.78 68.43,58.55 70.99,58.55 71.36,58.18 71.36,57.68 70.96,57.28 69.19,57.28 68.96,57.04 68.96,56.77 69.22,56.52 77.22,56.52 80.39,53.34 86.87,53.34 90.17,50.04 90.17,47.88 90.42,47.62 90.8,47.62 v1(91.06,47.88)
  BOTTOM w0.127: R94.1 90.25,47.8 90.42,47.62 90.8,47.62 v1(91.06,47.88) v2(91.06,48.77) ; v1(46.99,73.91) 46.99,73.79 46.86,73.66 46.61,73.66 46.36,73.41 45.84,73.41 45.6,73.16 U7.41
HUB_RXP1: length 13.7
  TOP w0.127: R47.1 31.56,81.58 L5.2 31.39,81.3 31.24,81.15 31.24,80.64 31.37,80.52 v1(31.66,80.52)
  BOTTOM w0.127: v2(32.51,80.52) v1(31.66,80.52) 31.34,80.52 31.24,80.42 31.24,79.99 31.6,79.63 34.14,79.63 34.92,78.85 34.92,73.89 35.18,73.64 35.43,73.64 35.51,73.56 U7.18
HUB_RXP2: length 43.1
  TOP w0.127: v1(68.64,85.66) 69.05,85.66 69.14,85.75 69.14,86.89 68.94,87.09 L1.3 68.77,87.55 R10.1
  BOTTOM w0.127: U7.26 39.31,75.33 39.24,75.4 39.24,77.85 40.89,79.5 65.38,79.5 68.58,82.7 68.58,84.69 67.94,85.32 67.94,86.11 68.2,86.36 68.86,86.36 69.17,86.05 69.17,85.63 69.09,85.55 68.75,85.55 v1(68.64,85.66)
HUB_RXP3: length 2.3
  BOTTOM w0.127: TP10.1 43.18,76.71 42.55,76.07 42.55,75.51 42.51,75.48 U7.34